# Altium PCB EVT_A.PcbDoc (part 2 of 2)
Units mm, origin at the board's own origin, x right, y up, seen from the top; angles counter-clockwise.
Board outline 45 x 40 mm, 6 copper layers (Layer 1, Layer 2, Layer 3, Layer 4, Layer 5, Layer 6), stack 1.486 mm thick; 163 components, 109 nets, 498 pads, 154 vias.
Unrouted connection lines stored in the file: 2.
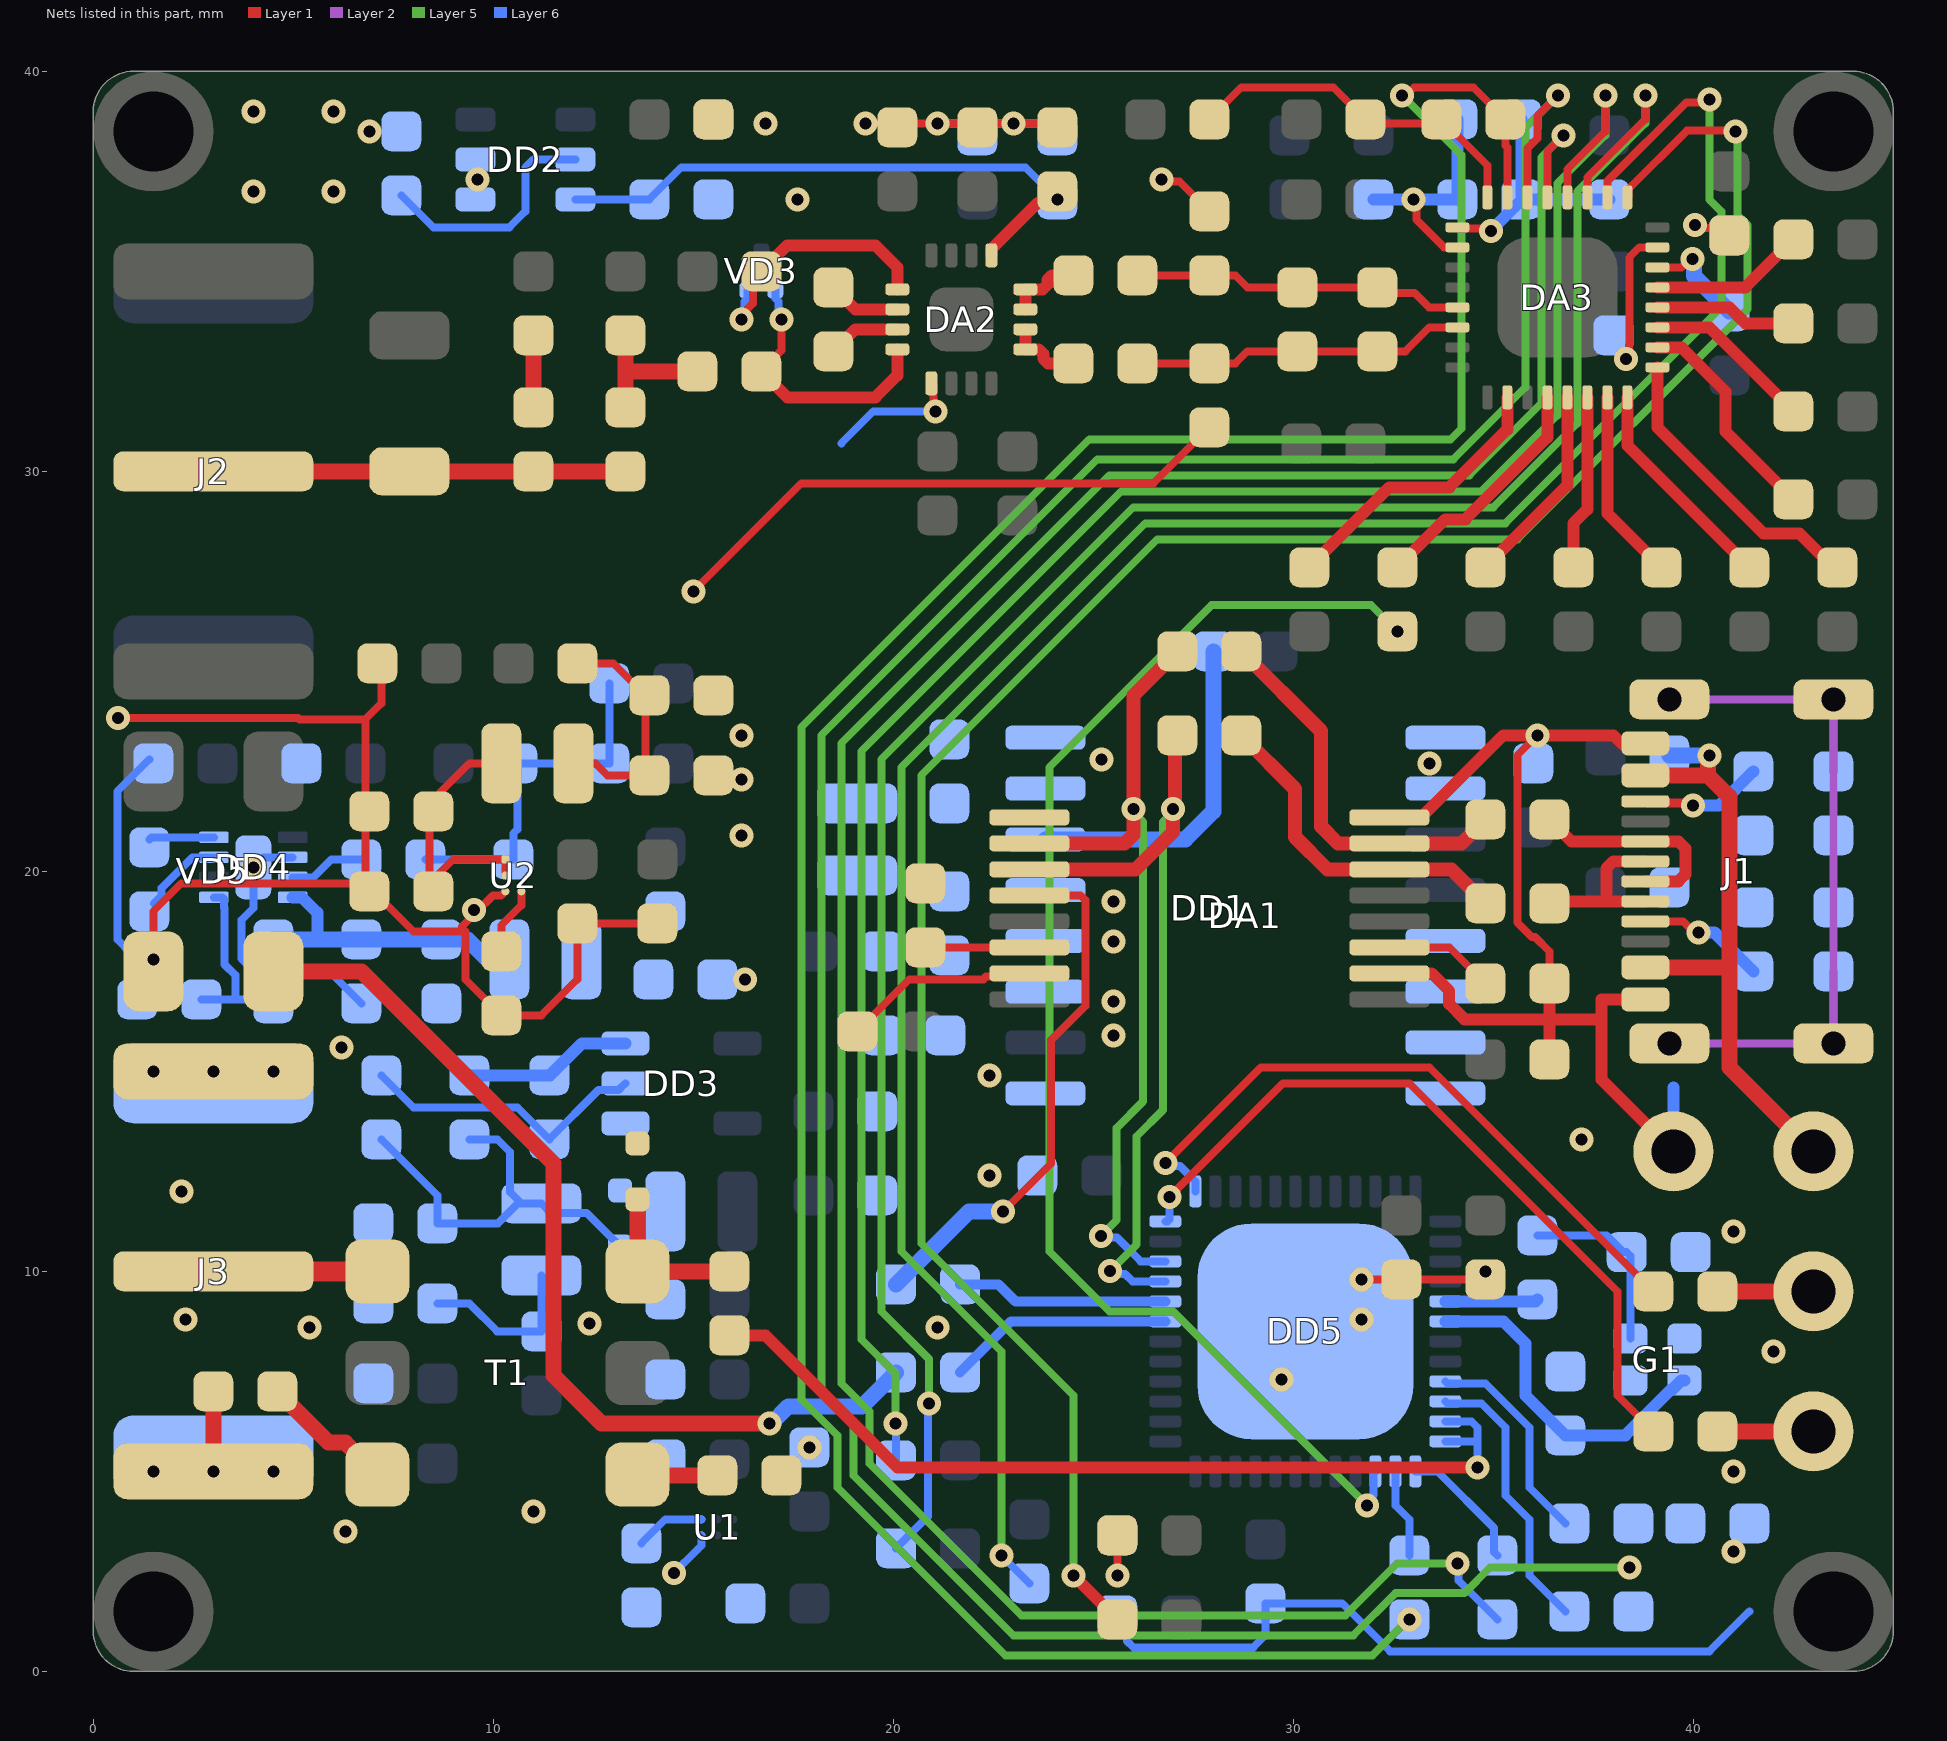
[diagram p6: the nets of this part, all layers, seen from the top]

## Via types
v1: diameter 0.6, hole 0.3, Layer 1 to Layer 6, tented both sides, 154 vias

## Nets (pads, with @x,y where several pads share a name; then routed paths per layer and width w, separated by ;. In a path a pad name is that pad's centre, name@x,y a point inside that pad or via, vN(x,y) a via of type N, cw(c..) or ccw(c..) an arc to the next point about the centre after c; other vN are vias at no path point) (continued)
GND: C3.2 C4.2 C5.2 C6.2 C8.2 C10.1 C12.2 C13.2 C14.2 C15.2 C16.2 C17.2 C18.2 C19.2 C20.2 C21.1 C22.1 C23.2 C24.2 C25.1 C26.2 C27.2 C28.2 C29.2 C31.2 C32.2 C33.2 C34.2 C35.2 C36.2 C37.2 C38.2 C39.2 C40.1 C41.2 C42.2 C43.2 C44.2 C45.2 C46.1 C47.1 C48.1 C49.1 C50.1 C51.2 C52.2 C57.1 C58.1 C70.2 C71.2 C72.2 C73.2 C74.2 C75.2 C76.2 C77.2 C78.2 C79.2 DA1.9 DA1.11 DA1.12 DA1.15 DA1.16 DA2.5 DA3.15 DD1.9 DD1.15 DD2.1 DD2.2 DD3.2 DD4.2 DD5.49 G1.2 G1.4 R10.1 R12.1 R21.2 R26.2 R40.1 U1.1C U2.1C VD4.1 VD5.3 | length 122.4
  Layer 1 w0.2: v1(0.612,23.834) 5.121,23.834 5.155,23.8 6.8,23.8 ; VD5.3@1.5,17.5 1.5,19 2.2,19.7 C42.2@6.8,19.7 ; C45.2@7.2,25.2 7.2,24.2 6.8,23.8 ; v1@9.5,19 9.597,19 9.991,19.393 10.193,19.393 U2.1C@10.3,19.5 ; v1(9.523,19.034) 9.523,18.926 9.223,18.626 9.223,18.5 ; C37.2@14.1,18.7 C39.2@12.1,18.7 12.1,17.3 11.2,16.4 C40.1@10.2,16.4 9.3,17.3 9.3,18.5 9.223,18.5 ; v1(15,27) 17.7,29.7 26.5,29.7 C51.2@27.9,31.1 ; C8.2@19.1,16 20.4,17.3 22.25,17.3 22.317,17.367 23.317,17.367 DD1.15@23.4,17.45 ; v1(19.3,38.7) C47.1@24.1,38.7 ; DA2.5@20.95,32.2 21,32.15 21,31.551 v1(21.051,31.5) ; v1(25.6,2.4) C73.2@25.6,3.4 ; v1(26.7,37.3) 26.75,37.25 27.15,37.25 C52.2@27.9,36.5 ; v1(31.7,9.8) 32.05,9.8 C75.2@32.7,9.8 C77.2@34.8,9.8 v1(34.8,10) ; v1(38.32,32.812) 38.397,32.888 38.397,33.162 38.4,33.165 38.4,35.35 38.65,35.6 DA3.15@39.1,35.6 ; v1(40.046,36.156) 40.123,36.079 40.721,36.079 C58.1@40.9,35.9 ; C42.2@6.8,19.7 8,18.5 9.223,18.5 ; C42.2@6.8,19.7 6.8,20.35 6.8,23.8
  Layer 6 w0.2: R12.1@1.1,17 1.1,17.539 1.285,17.723 1.423,17.723 v1(1.5,17.8) 1.392,17.8 1.217,17.974 0.926,17.974 0.6,18.3 0.6,22 C72.2@1.4,22.8 ; DD4.2@4.985,20.35 4.25,20.35 v1(4,20.1) 4,19.078 3.7,18.778 3.7,17.822 4.022,17.5 5.9,17.5 C33.2@6.7,16.7 ; C14.2@7.2,14.9 8,14.1 10.6,14.1 R10.1@11.4,13.3 12.632,14.532 13.132,14.532 DD3.2@13.3,14.7 ; C31.2@8.3,20.3 C38.2@10.5,20.3 10.5,20.95 10.6,21.05 C29.2@10.6,22.7 C36.2@12.9,22.7 C35.2@12.9,24.7 ; v1(14.513,2.454) 15.1,3.041 15.2,3.141 U1.1C@15.2,3.4 ; 18.7,30.7 19.5,31.5 v1(21.051,31.5) ; v1(21.1,38.7) v1(23,38.7) C46.1@24.1,38.7 ; C78.2@25.6,1.4 25.839,1.161 25.839,0.761 26,0.6 29,0.6 29.3,0.9 C79.2@29.3,1.7 31.222,1.7 32.422,0.5 40.4,0.5 41.4,1.5
  Layer 6 w0.4: v1@21.013,31.462 v1(21.051,31.5)
  other v1: 41,3 6.3,3.5 11,4 41,5 17.9,5.6 29.7,7.3 42,8 5.4,8.6 21.1,8.6 12.4,8.7 2.3,8.8 31.7,8.8 41,11 2.2,12 22.4,12.4 37.2,13.3 22.4,14.9 6.2,15.6 25.5,15.9 25.5,16.75 16.296,17.3 25.5,18.25 25.5,19.25 16.2,20.9 16.2,22.3 25.2,22.8 16.2,23.4 17.6,36.8 4,37 6,37 9.6,37.3 6.9,38.5 16.8,38.7 4,39 6,39
GNDusb: C1.2 C2.2 C7.2 C9.2 C11.2 DA1.1 DA1.2 DA1.5 DA1.6 DA1.7 DA1.8 DD1.2 DD1.8 J1.A1 J1.A12 R4.2 R5.2 R6.2 TP2.1 | length 29.2
  Layer 1 w0.2: v1(36.1,23.4) 35.6,22.9 35.6,18.722 35.961,18.361 36.039,18.361 36.4,18 C9.2@36.4,17.2
  Layer 1 w0.3: DD1.2@32.4,17.45 33.457,17.45 33.894,17.013 33.894,16.687 34.281,16.3 36.4,16.3 ; DD1.8@32.4,21.35 33.2,21.35 35.25,23.4 v1(36.1,23.4) 38,23.4 38.2,23.2 J1.A12@38.8,23.2 ; C7.2@36.4,15.3 36.4,16.3 ; C9.2@36.4,17.2 36.4,16.3 ; 37.7,16.3 36.4,16.3 ; J1.A1@38.8,16.8 37.7,16.8 37.7,14.8 TP2.1@39.5,13
  Layer 6 w0.3: TP2.1@39.5,13 39.5,14.6
  other v1: 33.4,22.7
In-Out: R43.1 T1.6 VD4.2 | length 4.1
  Layer 1 w0.4: VD4.2@13.6,11.8 T1.6@13.6,10 R43.1@15.9,10
Mode: DA3.22 R40.2 R41.2 R42.1 | length 72.3
  Layer 1 w0.2: DA3.22@35.85,36.85 35.85,38.072 36.1,38.322 36.1,38.887 v1(36.613,39.4)
  Layer 5 w0.2: v1(36.613,39.4) 35.8,38.587 35.8,32.1 34,30.3 25.1,30.3 18.2,23.4 18.2,7 19,6.2 19,4.9 23,0.9 31.5,0.9 32.554,1.954 34.279,1.954 34.925,2.6 v1(38.4,2.6)
NetC3_1: C3.1 C4.1 DA1.13 DA1.14 L1.1 R1.2 | length 8.5
  Layer 6 w0.4: DA1.14@23.8,20.8 27.3,20.8 28,21.5 R1.2@28,25.5
NetC5_1: C5.1 FB1.2 L1.2
NetC9_1: C9.1 DD1.3 | length 2.8
  Layer 1 w0.2: DD1.3@32.4,18.1 33.9,18.1 C9.1@34.8,17.2
NetC10_2: C10.2 DD1.14 | length 2.6
  Layer 1 w0.2: C10.2@20.8,18.1 DD1.14@23.4,18.1
NetC11_1: C11.1 J1.0 R6.1 | length 20.4
  Layer 2 w0.2: J1.0@39.4,15.7 J1.0@43.5,15.7 J1.0@43.5,24.3 J1.0@39.4,24.3
  Layer 6 w0.2: J1.0@43.5,15.7 R6.1@43.5,17.5 ; C11.1@43.5,22.5 J1.0@43.5,24.3
NetC14_1: C14.1 C15.1 L3.1 R9.2 VD2.2 | length 10.4
  Layer 6 w0.2: C14.1@7.2,13.3 8.6,11.9 C15.1@8.6,11.2 10.119,11.2 10.619,11.7 L3.1@10.7,11.7 ; R9.2@9.4,13.3 10.1,13.3 10.411,12.989 10.411,11.989 L3.1@10.7,11.7 ; VD2.2@13.169,10.625 12.336,11.458 11.442,11.458 L3.1@11.2,11.7 L3.1@10.7,11.7
NetC16_1: C16.1 FB2.2 L3.2 | length 4.3
  Layer 6 w0.2: C16.1@8.6,9.2 8.604,9.196 9.4,9.196 10.096,8.5 FB2.2@11.2,8.5 L3.2@11.2,9.9
NetC21_2: C21.2 DD2.5 | length 6
  Layer 6 w0.2: C21.2@7.7,36.9 8.5,36.1 10.4,36.1 10.8,36.5 10.8,37.6 11,37.8 DD2.5@12.05,37.8
NetC25_2: C25.2 U1.2C | length 1.7
  Layer 6 w0.2: C25.2@13.7,3.2 14.3,3.8 U1.2C@15.2,3.8
NetC30_1: C30.1 DD4.8 | length 1.6
  Layer 6 w0.2: C30.1@1.4,20.8 1.45,20.85 DD4.8@3.015,20.85
NetC30_2: C30.2 DD4.7 | length 2.1
  Layer 6 w0.2: C30.2@1.519,19.2 1.707,19.389 1.707,19.578 2.479,20.35 DD4.7@3.015,20.35
NetC31_1: C31.1 DD4.3 | length 1.9
  Layer 6 w0.2: DD4.3@4.985,19.85 5.505,19.85 5.955,20.3 C31.1@6.7,20.3
NetC32_1: C32.1 C33.1 DD4.4 L4.1 R11.2 | length 7.5
  Layer 6 w0.3: DD4.4@4.985,19.35 5.215,19.35 5.6,18.965 5.6,18.3
  Layer 6 w0.4: R11.2@4.5,18.3 5.6,18.3 C33.1@6.7,18.3 C32.1@8.7,18.3 9.35,18.3 9.85,17.8 L4.1@10.4,17.8
NetC34_1: C34.1 FB3.2 L4.2
NetC40_2: C40.2 U2.2C | length 1.7
  Layer 1 w0.2: C40.2@10.2,18 10.2,18.65 10.7,19.15 U2.2C@10.7,19.5
NetC41_1: C41.1 C42.1 L5.1 U2.1A U2.1B | length 6.7
  Layer 1 w0.2: L5.1@10.1,22.7 9.4,22.7 8.4,21.7 8.4,20.35 8.4,19.7 9,20.3 U2.1A@10.3,20.3 U2.1B@10.3,19.9
NetC43_1: C43.1 C44.1 FB4.2 L5.2 | length 6.1
  Layer 1 w0.2: L5.2@11.9,22.7 12.55,22.7 12.85,22.4 13.8,22.4 13.8,24.4 13,25.2 FB4.2@12.1,25.2
NetC53_1: C53.1 J2.1 R13.1 R19.2 | length 10.4
  Layer 1 w0.4: J2.1@3,30 C53.1@7.9,30 11.1,30 R13.1@13.4,30
NetC54_1: C54.1 R19.1 | length 1.8
  Layer 1 w0.4: R19.1@11,31.6 C54.1@11,33.4
NetC64_1: C64.1 C65.2 C68.2 DA3.26 | length 6
  Layer 1 w0.2: v1(33,36.8) 33.077,36.723 33.077,36.291 33.767,35.6 DA3.26@34.1,35.6
  Layer 6 w0.3: C68.2@32,36.8 C65.2@34.1,36.8 C64.1@34.1,38.8
NetC64_2: C64.2 C65.1 C69.2 DA3.25 | length 6.2
  Layer 1 w0.2: DA3.25@34.1,36.1 34.125,36.075 34.88,36.075 v1(34.946,36.009)
  Layer 6 w0.3: v1(34.946,36.009) 34.946,36.027 35.695,36.776 C65.1@35.695,36.8 ; C64.2@35.7,38.8 C65.1@35.7,36.8 C69.2@37.9,36.8
NetC66_2: C66.2 C67.1 DA3.24 R36.1 | length 9
  Layer 1 w0.2: C67.1@27.9,38.8 28.7,39.6 31,39.6 31.9,38.7 33.6,38.7 R36.1@33.7,38.8 34.85,37.65 DA3.24@34.85,36.85
NetC70_1: C70.1 G1.1 R51.1 | length 4.6
  Layer 6 w0.2: R51.1@36.1,10.9 37.831,10.9 38.254,10.477 C70.1@38.335,10.477 38.425,10.388 G1.1@38.425,8.325
NetC71_1: C71.1 DD5.6 G1.3 | length 8.5
  Layer 6 w0.3: DD5.6@33.8,8.75 35.25,8.75 35.8,8.2 35.8,6.9 C71.1@36.8,5.9 38.3,5.9 39.45,7.05 39.48,7.05 39.705,7.275 G1.3@39.775,7.275
NetDA2_2: DA2.2 R17.2 | length 1.8
  Layer 1 w0.3: R17.2@18.5,34.6 19.05,34.05 DA2.2@20.1,34.05
NetDA2_3: DA2.3 R17.1 | length 1.8
  Layer 1 w0.3: R17.1@18.5,33 19.05,33.55 DA2.3@20.1,33.55
NetDA2_9: DA2.9 DA2.10 R18.1 | length 1.9
  Layer 1 w0.3: DA2.10@23.3,33.55 DA2.9@23.3,33.05 23.633,33.05 23.75,32.933 23.75,32.817 23.867,32.7 R18.1@24.5,32.7
NetDA2_11: DA2.11 DA2.12 R16.1 | length 1.9
  Layer 1 w0.3: DA2.11@23.3,34.05 DA2.12@23.3,34.55 23.733,34.55 23.85,34.667 23.85,34.783 23.967,34.9 R16.1@24.5,34.9
NetDA3_2: DA3.2 R22.1 | length 7.2
  Layer 1 w0.3: R22.1@30.4,27.6 32.4,29.6 33.9,29.6 35.35,31.05 DA3.2@35.35,31.85
NetDA3_5: DA3.5 R24.1 | length 5.1
  Layer 1 w0.3: R24.1@34.8,27.6 36.85,29.65 DA3.5@36.85,31.85
NetDA3_6: DA3.6 R25.1 | length 4.4
  Layer 1 w0.3: R25.1@37,27.6 37,28.7 37.35,29.05 DA3.6@37.35,31.85
NetDA3_7: DA3.7 R27.1 | length 4.9
  Layer 1 w0.3: DA3.7@37.85,31.85 37.85,28.95 39.1,27.7 R27.1@39.1,27.5
NetDA3_8: DA3.8 R28.1 | length 5.5
  Layer 1 w0.3: DA3.8@38.35,31.85 38.35,30.65 R28.1@41.4,27.6
NetDA3_9: DA3.9 R29.1 | length 7.5
  Layer 1 w0.3: DA3.9@39.1,32.6 39.1,31.1 41.75,28.45 42.65,28.45 43.15,27.95 43.196,27.95 R29.1@43.6,27.546
NetDA3_10: DA3.10 R30.1 | length 5.6
  Layer 1 w0.3: DA3.10@39.1,33.1 39.7,33.1 40.8,32 40.8,31 R30.1@42.5,29.3
NetDA3_11: DA3.11 R31.1 | length 4.3
  Layer 1 w0.3: DA3.11@39.1,33.6 40.4,33.6 R31.1@42.5,31.5
NetDA3_12: DA3.12 R32.1 | length 3.6
  Layer 1 w0.3: DA3.12@39.1,34.1 40.9,34.1 41.3,33.7 R32.1@42.5,33.7
NetDA3_13: DA3.13 R33.1 | length 3.9
  Layer 1 w0.3: DA3.13@39.1,34.6 41.3,34.6 R33.1@42.5,35.8
NetDA3_14: DA3.14 R34.1 | length 2.7
  Layer 1 w0.2: DA3.14@39.1,35.1 39.702,35.1 39.906,35.304 v1(39.985,35.304)
  Layer 6 w0.4: v1(39.985,35.304) 40.023,35.266 40.023,34.877 R34.1@40.9,34
NetDA3_17: DA3.17 R35.1 | length 56.7
  Layer 1 w0.2: DA3.17@38.35,36.85 38.375,36.875 38.375,37.05 39.84,38.515 41.039,38.515 v1(41.054,38.5)
  Layer 1 w0.3: v1(24.5,2.4) R35.1@25.6,1.3
  Layer 5 w0.2: v1(24.5,2.4) 24.5,6.9 20.7,10.7 20.7,22.4 26.6,28.3 35.6,28.3 41.354,34.054 41.354,36.16 41.1,36.414 41.1,38.454 v1(41.054,38.5)
NetDA3_18: DA3.18 R37.1 | length 56.1
  Layer 1 w0.2: DA3.18@37.85,36.85 37.856,36.856 37.856,37.256 39.823,39.223 40.323,39.223 v1(40.4,39.3)
  Layer 5 w0.2: v1(22.7,2.9) 22.7,8 20.2,10.5 20.2,22.6 26.3,28.7 35.3,28.7 40.7,34.1 40.7,36.496 40.4,36.796 v1(40.4,39.3)
  Layer 6 w0.2: v1(22.7,2.9) R37.1@23.4,2.2
NetDA3_19: DA3.19 R38.1 | length 53.5
  Layer 1 w0.2: DA3.19@37.35,36.85 37.35,37.35 38.8,38.8 v1(38.8,39.4)
  Layer 5 w0.2: v1(20.891,6.691) 20.891,7.809 19.7,9 19.7,22.8 26,29.1 35,29.1 37.1,31.2 37.1,37 38.8,38.7 v1(38.8,39.4)
  Layer 6 w0.2: R38.1@20.069,3.075 20.869,3.875 20.869,6.669 v1(20.891,6.691)
NetDA3_20: DA3.20 R39.1 | length 50.4
  Layer 1 w0.2: DA3.20@36.85,36.85 36.85,37.55 37.8,38.5 v1(37.8,39.4)
  Layer 5 w0.2: v1(20.054,6.2) 20.054,7.446 19.2,8.3 19.2,23 25.7,29.5 34.7,29.5 36.6,31.4 36.6,37.2 37.8,38.4 v1(37.8,39.4)
  Layer 6 w0.2: v1(20.054,6.2) 20.061,6.193 20.061,5.282 R39.1@20.069,5.275
NetDD3_1: DD3.1 L2.2 VD2.1
NetDD3_3: DD3.3 R9.1 R10.2 | length 4.2
  Layer 6 w0.3: R9.1@9.4,14.9 R10.2@11.4,14.9 11.416,14.9 12.216,15.7 DD3.3@13.3,15.7
NetDD4_5: DD4.5 R11.1 R12.2 | length 4.7
  Layer 6 w0.2: R12.2@2.7,16.8 3.55,16.8 ; DD4.5@3.015,19.35 3.232,19.35 3.272,19.31 3.272,19.093 3.283,19.082 3.283,17.674 3.55,17.406 3.55,16.8 ; R11.1@4.5,16.7 4.4,16.8 3.55,16.8
NetDD5_5: DD5.5 R51.2 | length 2.3
  Layer 6 w0.3: DD5.5@33.8,9.25 36.05,9.25 R51.2@36.1,9.3
NetDD5_9: DD5.9 R41.1 | length 5.3
  Layer 6 w0.2: DD5.9@33.8,7.25 33.85,7.2 34.8,7.2 35.9,6.1 35.9,4.6 R41.1@36.8,3.7
NetDD5_10: DD5.10 R42.2 | length 7
  Layer 6 w0.2: DD5.10@33.8,6.75 33.85,6.7 34.215,6.7 34.7,6.7 35.3,6.1 35.3,4.4 35.9,3.8 35.9,2.4 R42.2@36.8,1.5
NetDD5_11: DD5.11 DD5.12 R43.2 | length 22.7
  Layer 1 w0.3: R43.2@15.9,8.4 16.8,8.4 20.1,5.1 v1(34.6,5.1)
  Layer 6 w0.2: DD5.12@33.8,5.75 34.55,5.75 34.6,5.7 ; DD5.11@33.8,6.25 34.45,6.25 34.6,6.1 34.6,5.7 ; v1(34.6,5.1) 34.6,5.7
NetDD5_13: DD5.13 R44.2 | length 3.3
  Layer 6 w0.2: DD5.13@33.05,5 33.6,5 35.017,3.583 35.017,2.983 R44.2@35.1,2.9
NetDD5_14: DD5.14 R45.2 | length 2.2
  Layer 6 w0.2: DD5.14@32.55,5 32.55,4.15 32.9,3.8 R45.2@32.9,2.9
NetDD5_15: DD5.15 R46.2 | length 34.4
  Layer 1 w0.3: R46.2@32.6,25.9 v1(32.6,26)
  Layer 5 w0.2: v1(31.848,4.145) 26.993,9 25.4,9 23.9,10.5 23.9,22.6 27.954,26.654 31.946,26.654 v1(32.6,26)
  Layer 6 w0.2: v1(31.848,4.145) 31.848,4.253 32,4.405 32,4.95 DD5.15@32.05,5
NetDD5_31: DD5.31 R47.2 | length 5.7
  Layer 6 w0.25: R47.2@21.669,7.475 22.944,8.75 DD5.31@26.8,8.75
NetDD5_32: DD5.32 R48.2 | length 5.3
  Layer 6 w0.25: R48.2@21.669,9.675 22.625,9.675 23.05,9.25 DD5.32@26.8,9.25
NetDD5_36: DD5.36 R49.2 | length 19.1
  Layer 1 w0.2: v1(26.9,11.859) 29.741,14.7 32.9,14.7 38.1,9.5 38.1,6.9 R49.2@39,6
  Layer 6 w0.2: DD5.36@26.8,11.25 26.85,11.25 26.9,11.3 v1(26.9,11.859)
NetDD5_37: DD5.37 R50.2 | length 16.7
  Layer 1 w0.2: v1(26.799,12.707) 29.192,15.1 33.4,15.1 R50.2@39,9.5
  Layer 6 w0.2: v1(26.799,12.707) 26.875,12.63 27.17,12.63 27.55,12.25 DD5.37@27.55,12
NetF1_1: F1.1 J1.A4 J1.A9 TP1.1 | length 15.7
  Layer 1 w0.4: J1.A4@38.8,17.6 40.9,17.6 ; J1.A9@38.8,22.4 40.366,22.4 ; v1(40.4,22.9) 40.366,22.866 40.366,22.4 ; TP1.1@43,13 40.9,15.1 40.9,17.6 ; 40.366,22.4 40.9,21.866 40.9,17.6
  Layer 6 w0.4: F1.1@39.4,22.9 v1(40.4,22.9)
NetJ1_A5: J1.A5 R5.1 | length 3.2
  Layer 1 w0.2: J1.A5@38.8,18.75 39.742,18.749 40.022,18.47 v1(40.13,18.47)
  Layer 6 w0.3: v1(40.13,18.47) 40.53,18.47 R5.1@41.5,17.5
NetJ1_A6: J1.A6 J1.B6 R3.1 | length 5.4
  Layer 1 w0.3: R3.1@36.4,21.3 36.95,20.75 39.624,20.75 39.8,20.574 39.8,19.926 39.624,19.75 J1.A6@38.8,19.75
NetJ1_A7: J1.A7 J1.B7 R2.1 | length 4.3
  Layer 1 w0.3: R2.1@36.4,19.2 36.45,19.25 37.825,19.25 ; J1.B7@38.8,19.25 37.825,19.25 ; J1.A7@38.8,20.25 38.001,20.25 37.825,20.074 37.825,19.25
NetJ1_B5: J1.B5 R4.1 | length 3.1
  Layer 1 w0.22: J1.B5@38.8,21.75 38.84,21.71 39.934,21.71 v1(39.998,21.646)
  Layer 6 w0.3: v1(39.998,21.646) 40.646,21.646 R4.1@41.5,22.5
NetJ3_1: J3.1 T1.1 | length 4.1
  Layer 1 w0.5: J3.1@3,10 T1.1@7.1,10
NetJ3_2: J3.2 R23.2 | length 2
  Layer 1 w0.4: v1(3,5) R23.2@3,7
  other v1: 1.5,5 4.5,5 1.5,15 3,15 4.5,15
NetR13_2: R13.2 R14.1 R20.2 | length 3.6
  Layer 1 w0.4: R13.2@13.3,31.6 13.3,32.5 ; R20.2@13.3,33.4 13.3,32.5 ; R14.1@15.1,32.5 13.3,32.5
NetR23_1: R23.1 T1.3 | length 3.4
  Layer 1 w0.4: R23.1@4.6,7 5.88,5.72 6.3,5.72 T1.3@7.1,4.92
NetR26_1: R26.1 T1.4 | length 2
  Layer 1 w0.4: T1.4@13.6,4.92 13.62,4.9 R26.1@15.6,4.9
OTR: DA3.21 R44.1 | length 66.6
  Layer 1 w0.2: DA3.21@36.35,36.85 36.35,37.996 v1(36.754,38.4)
  Layer 5 w0.2: v1(34.1,2.7) 32.6,2.7 31.3,1.4 23.2,1.4 19.4,5.2 19.4,6.5 18.7,7.2 18.7,23.2 25.4,29.9 34.4,29.9 36.2,31.7 36.2,37.846 v1(36.754,38.4)
  Layer 6 w0.2: v1(34.1,2.7) 34.124,2.676 34.124,2.276 R44.1@35.1,1.3
Out_N: C51.1 C62.2 C63.2 DA3.30 R18.2 | length 8.4
  Layer 1 w0.2: R18.2@26.1,32.7 C51.1@27.9,32.7 28.55,32.7 28.85,33 C62.2@30.1,33 C63.2@32.1,33 32.8,33 33.4,33.6 DA3.30@34.1,33.6
Out_P: C52.1 C62.1 C63.1 DA3.29 R16.2 | length 8.3
  Layer 1 w0.2: R16.2@26.1,34.9 C52.1@27.9,34.9 28.55,34.9 28.85,34.6 C62.1@30.1,34.6 C63.1@32.1,34.6 32.238,34.462 33.031,34.462 33.393,34.1 DA3.29@34.1,34.1
PDWN: DA3.4 R46.1 | length 6.1
  Layer 1 w0.3: R46.1@32.6,27.6 33.8,28.8 34.3,28.8 36.35,30.85 DA3.4@36.35,31.85
PWM_LED: R47.1 VD5.4 | length 23.9
  Layer 1 w0.4: VD5.4@4.5,17.5 6.7,17.5 11.5,12.7 11.5,7.4 12.7,6.2 v1(16.9,6.2)
  Layer 6 w0.4: v1(16.9,6.2) 16.954,6.2 17.378,6.624 19.218,6.624 R47.1@20.069,7.475
Sense: DA3.23 R36.2 R45.1 | length 69.3
  Layer 1 w0.2: v1(32.713,39.4) 32.822,39.4 33.022,39.6 34.5,39.6 R36.2@35.3,38.8 35.3,38.15 35.35,38.1 DA3.23@35.35,36.85
  Layer 5 w0.2: v1(32.713,39.4) 34.2,37.913 34.2,31.066 33.934,30.8 24.9,30.8 17.7,23.6 17.7,6.8 18.6,5.9 18.6,4.6 22.8,0.4 31.983,0.4 32.883,1.3 v1(32.9,1.3)
Signal_N: DA2.1 R15.2 VD3.2 | length 6.6
  Layer 1 w0.2: v1(16.2,33.8) 16.2,33.908 16.492,34.2 16.492,34.792 R15.2@16.7,35
  Layer 1 w0.3: R15.2@16.7,35 17.35,35.65 19.55,35.65 20.1,35.1 DA2.1@20.1,34.55
  Layer 6 w0.2: v1(16.2,33.8) 16.277,33.877 16.277,34.252 16.35,34.325 VD3.2@16.35,34.525
Signal_P: DA2.4 R14.2 VD3.1 | length 6.8
  Layer 1 w0.2: R14.2@16.7,32.5 16.7,32.517 17.2,33.017 v1(17.2,33.8)
  Layer 1 w0.3: R14.2@16.7,32.5 17.35,31.85 19.55,31.85 20.1,32.4 DA2.4@20.1,33.05
  Layer 6 w0.2: VD3.1@17.05,34.525 17.05,34.325 17.123,34.252 17.123,33.877 v1(17.2,33.8)
SWCLK: R50.1 TP4.1 | length 2.4
  Layer 1 w0.4: R50.1@40.6,9.5 TP4.1@43,9.5
SWDIO: R49.1 TP3.1 | length 2.4
  Layer 1 w0.4: R49.1@40.6,6 TP3.1@43,6
UD_N: DD1.6 R2.2 R7.1 | length 8.5
  Layer 1 w0.35: R7.1@28.7,23.4 30.048,22.052 30.048,20.852 30.85,20.05 33.95,20.05 R2.2@34.8,19.2
UD_P: DD1.7 R3.2 R8.1 | length 9.7
  Layer 1 w0.35: R8.1@28.7,25.5 30.698,23.502 30.698,21.121 31.119,20.7 34.2,20.7 R3.2@34.8,21.3
USB_N: DD1.11 DD5.33 R7.2 | length 20.2
  Layer 1 w0.35: DD1.11@23.4,20.05 26.05,20.05 26.987,20.987 v1(26.988,21.554) 27.1,21.554 27.044,21.61 27.044,23.344 R7.2@27.1,23.4
  Layer 5 w0.2: v1(25.421,10.008) 26.084,10.67 26.084,13.376 26.744,14.037 26.744,21.237 26.988,21.481 v1(26.988,21.554)
  Layer 6 w0.2: v1(25.421,10.008) 25.497,9.933 25.795,9.933 25.977,9.75 DD5.33@26.8,9.75
USB_P: DD1.10 DD5.34 R8.2 | length 20.7
  Layer 1 w0.35: DD1.10@23.4,20.7 25.781,20.7 26,20.919 v1(26,21.554) ; v1@26,21.654 26,24.4 R8.2@27.1,25.5
  Layer 5 w0.2: v1(25.188,10.888) 25.584,11.283 25.584,13.584 26.244,14.244 26.244,21.237 26,21.481 v1(26,21.554)
  Layer 6 w0.2: v1(25.188,10.888) 25.232,10.843 25.591,10.843 26.184,10.25 DD5.34@26.8,10.25
USB_Pin: DD1.12 R48.1 | length 13.5
  Layer 1 w0.2: v1(22.746,11.5) 23.946,12.7 23.946,15.78 24.8,16.634 24.8,19.283 24.683,19.4 DD1.12@23.4,19.4
  Layer 6 w0.4: R48.1@20.069,9.675 21.894,11.5 v1(22.746,11.5)
Vocm: C22.2 C46.2 C47.2 DA2.13 DD2.6 | length 15.2
  Layer 1 w0.3: DA2.13@22.45,35.4 22.45,35.55 23.612,36.712 23.812,36.712 C47.2@24,36.9 ; v1(24.1,36.8) C47.2@24.1,37
  Layer 6 w0.2: DD2.6@12.05,36.8 C22.2@13.9,36.8 14.7,37.6 23.3,37.6 v1(24.1,36.8)
pads on no net: DA1.10 DA2.6 DA2.8 DA2.15 DA3.1 DA3.3 DD1.4 DD1.5 DD1.13 DD5.2 DD5.3 DD5.4 DD5.7 DD5.16 DD5.27 DD5.28 DD5.29 DD5.30 DD5.38 DD5.39 DD5.40 J1.A8 J1.B8 T1.2 T1.5 VD5.2

## Polygon pours and split planes (outlines as drawn)
GND on Layer 6 "GND_L06_P041" (solid, remove dead copper, pour order 41): 0,1 0,39 cw(c1,39) 1,40 44,40 cw(c44,39) 45,39 45,1 cw(c44,1) 44,0 1,0 cw(c1,1)
GNDusb on Layer 6 "GNDUSB_L06_P036" (solid, remove dead copper, pour order 36): 31,16.1 32.9,14.2 45,14.2 45,24.25 31,24.25
NetC32_1 on Layer 6 "NETC32_1_L06_P040" (solid, remove dead copper, pour order 40): 4.6,19.5 5.714,19.5 6.214,19 10.8,19 11,18.8 11,16.8 10.9,16.7 9.9,16.7 9,17.6 4.2,17.6 4,17.8 4,18.9
NetC14_1 on Layer 6 "NETC14_1_L06_P039" (solid, remove dead copper, pour order 39): 13.5,10.3 13.5,11 13.4,11 12,12.4 11,12.4 11,12.7 9.8,13.9 6.7,13.9 6.7,12.1 8.5,10.3
+Vin on Layer 6 "+VIN_L06_P003" (solid, remove dead copper, pour order 3): 18.9,18.5 17.397,18.5 17,18.103 17,15.975 15.1,15.975 15.1,3.8 16.7,3.8 16.7,9.5 18.9,11.7
+3.3VDC on Layer 6 "+3.3VDC_L06_P005" (solid, remove dead copper, pour order 5): 15.46,3.542 16.16,3.542 17.119,4.5 18.8,4.5 18.8,1.142 17.26,1.142 17.26,2.142 16.36,3.042 15.46,3.042
AGND on Layer 6 "AGND_L06_P038" (solid, remove dead copper, pour order 38): 38.8,36.1 34.7,36.1 34.7,32.4 36.9,32.4 37.4,32.9 37.4,34 38.7,34 38.8,34.1
NetC16_1 on Layer 6 "NETC16_1_L06_P037" (solid, remove dead copper, pour order 37): 12.3,9.6 11.7,9 11.7,8 8.7,8 8,8.7 8,10.5 12.3,10.5
NetDD3_1 on Layer 6 "NETDD3_1_L06_P030" (solid, remove dead copper, pour order 30): 12.6,14 12.6,12.2 13.7,11.1 13.7,10.7 14.8,10.7 14.8,14
+Vusb on Layer 6 "+VUSB_L06_P029" (solid, remove dead copper, pour order 29): 38.5,23.5 37,23.5 37,21.5 35.2,21.5 35,21.3 32.7,21.3 32.7,19.2 38.5,19.2
+Vboost on Layer 6 "+VBOOST_L06_P026" (solid, remove dead copper, pour order 26): 11.8,6.4 10.9,6.4 9.1,4.6 7.975,4.6 7.975,7.85 11.644,7.85 11.8,7.694
+3.3VADC on Layer 6 "+3.3VADC_L06_P006" (solid, remove dead copper, pour order 6): 26.6,0.9 28.6,0.9 28.6,2.2 29.1,2.7 29.7,2.7 29.9,2.9 29.9,5.4 28.8,5.4 28.8,3.2 27.6,2 26.6,2
NetC5_1 on Layer 6 "NETC5_1_L06_P002" (solid, remove dead copper, pour order 2): 20.5,19.5 20.445,19.555 20.445,20.15 20.095,20.5 18.145,20.5 17.795,20.15 17.8,20.145 17.8,19.5 17.8,18.7 18.75,18.7 18.75,14.7 20.5,14.7 20.5,15.75
-Vneg on Layer 6 "-VNEG_L06_P025" (solid, remove dead copper, pour order 25): 14,20 13.8,20.2 13.8,25 19.75,30.95 20.35,30.35 14.8,24.8 14.8,22.1 14.8,20.25 14.55,20
Mode on Layer 6 "MODE_L06_P021" (solid, remove dead copper, pour order 21): 38.9,1 40.2,2.3 40.2,2.6 40.2,4.2 37.8,4.2 37.8,1
NetC34_1 on Layer 6 "NETC34_1_L06_P022" (solid, remove dead copper, pour order 22): 11.7,16.8 14.1,16.8 14.8,17.5 14.8,19.5 13.9,19.5 13.2,18.8 11.7,18.8
+3.3VDC on Layer 6 "+3.3VDC_L06_P027" (solid, remove dead copper, pour order 27): 33.4,11.1 32.9,11.6 32.9,12.5 34,12.5 34.5,12 34.5,11.2 34.4,11.1
+3.3VDC on Layer 6 "+3.3VDC_L06_P014" (solid, remove dead copper, pour order 14): 24.2,13.3 24.2,11.5 26,11.5 26,13.3
NetC3_1 on Layer 6 "NETC3_1_L06_P001" (solid, remove dead copper, pour order 1): 18,21 18,22.3 21.784,22.3 22.834,21.25 24.834,21.25 24.834,19 20,19
+Vin on Layer 6 "+VIN_L06_P012" (solid, remove dead copper, pour order 12): 39.8,28.7 39.8,32.4 42.6,32.4 42.6,28.7
+Vin on Layer 6 "+VIN_L06_P004" (solid, remove dead copper, pour order 4): 4.6,20.7 5.7,20.7 6.5,21.5 9.8,21.5 9.8,23.5 6.5,23.5 6,23 6,21.8 5.3,21.1 4.6,21.1
GND on Layer 1 "GND_L01_P028" (solid, remove dead copper, pour order 28): 0,1 0,39 cw(c1,39) 1,40 44,40 cw(c44,39) 45,39 45,1 cw(c44,1) 44,0 1,0 cw(c1,1)
GNDusb on Layer 1 "GNDUSB_L01_P034" (solid, remove dead copper, pour order 34): 33.7,15.1 31.3,17.5 31.3,24.1 40,24.1 40,15.1
NetC41_1 on Layer 1 "NETC41_1_L01_P023" (solid, remove dead copper, pour order 23): 9.25,19.7 8.75,19.2 7.9,19.2 7.9,22.4 9.2,23.7 10.6,23.7 10.6,19.7
+Vin on Layer 1 "+VIN_L01_P008" (solid, remove dead copper, pour order 8): 19.807,15.499 20.2,15.892 20.2,17 22.45,17 22.45,16.55 18.7,12.8 14.999,12.8 14.999,15.499 16.799,15.499
+3.3VDC on Layer 1 "+3.3VDC_L01_P024" (solid, remove dead copper, pour order 24): 32.2,10.9 35.3,10.9 35.3,12 34.5,12 34,12.5 32.9,12.5 32.2,11.8
+Vusb on Layer 1 "+VUSB_L01_P035" (solid, remove dead copper, pour order 35): 35.45,15.9 35.45,14.8 31.35,14.8 31.35,17 33.45,17 34.55,15.9
NetC43_1 on Layer 1 "NETC43_1_L01_P018" (solid, remove dead copper, pour order 18): 11.2,21.5 14.5,21.5 14.5,25.8 11.2,25.8
+3.3VADC on Layer 1 "+3.3VADC_L01_P010" (solid, remove dead copper, pour order 10): 19,36.8 19.5,36.8 20.2,36.1 21.1,36.1 21.1,37.7 19,37.7
+3.3VADC on Layer 1 "+3.3VADC_L01_P009" (solid, remove dead copper, pour order 9): 8.2,24 8.2,25.8 11,25.8 11,24.7 10.3,24
+Vin on Layer 1 "+VIN_L01_P007" (solid, remove dead copper, pour order 7): 10.6,19.7 10.6,20.8 14.6,20.8 14.6,19.7
GND on Layer 5 "GND_L05_P033" (solid, remove dead copper, pour order 33): 0,1 0,39 cw(c1,39) 1,40 44,40 cw(c44,39) 45,39 45,1 cw(c44,1) 44,0 1,0 cw(c1,1)
GNDusb on Layer 5 "GNDUSB_L05_P020" (solid, remove dead copper, pour order 20): 31,15.87 45,15.87 45,24.75 31,24.75
+Vin on Layer 5 "+VIN_L05_P011" (solid, remove dead copper, pour order 11): 2.25,12.8 15.6,12.8 15.6,23.5 7,23.5 2.25,18.75
GND on Layer 2 "GND_L02_P019" (solid, remove dead copper, pour order 19): 0,1 0,39 cw(c1,39) 1,40 44,40 cw(c44,39) 45,39 45,1 cw(c44,1) 44,0 1,0 cw(c1,1)
GNDusb on Layer 2 "GNDUSB_L02_P031" (solid, remove dead copper, pour order 31): 31,15.87 45,15.87 45,24.75 31,24.75
+3.3VDC on Layer 2 "+3.3VDC_L02_P017" (solid, remove dead copper, pour order 17): 24.8,13.8 25.5,13.1 33.6,13.1 35,11.7 35,9 27.6,1.6 3.7,1.6 3.7,22.6 19.309,22.6 26.1,29.4 37.6,29.4 41.7,33.5 41.7,36.9 42.6,36.9 42.6,32.8 38.2,28.4 38.2,28.2 27.2,28.2 24.8,25.8
+3.3VADC on Layer 2 "+3.3VADC_L02_P015" (solid, remove dead copper, pour order 15): 18.5,40 18.5,31.5 13,26 1.3,26 0,24.7 0,0 29.2,0 29.2,2.5 28.3,2.5 27.4,1.6 15.75,1.6 7.15,1.6 4.1,4.65 4.1,23 19.7,23 26.1,29.4 36.65,29.4 37.6,30.35 37.6,40
GND on Layer 4 (split plane): 1,39.49 44,39.49 44.012,39.491 44.096,39.482 44.188,39.454 44.273,39.409 44.348,39.348 44.409,39.273 44.454,39.188 44.482,39.096 44.491,39.012 44.49,39 44.49,25 27.9,25 27.9,15 44.49,15 44.49,1 44.491,0.988 44.482,0.904 44.454,0.812 44.409,0.727 44.348,0.652 44.273,0.591 44.188,0.546 44.096,0.518 44.012,0.509 44,0.51 1,0.51 0.988,0.509 0.904,0.518 0.812,0.546 0.727,0.591 0.652,0.652 0.591,0.727 0.546,0.812 0.518,0.904 0.509,0.988 0.51,1 0.51,24.3 6,24.3 6,26 13,26 18,31 34,31 34,36 16.1,36 15.8,35.7 0.51,35.7 0.51,39 0.509,39.012 0.518,39.096 0.546,39.188 0.591,39.273 0.652,39.348 0.727,39.409 0.812,39.454 0.904,39.482 0.988,39.491
GND on Layer 3 (split plane): 1,39.49 44,39.49 44.012,39.491 44.096,39.482 44.188,39.454 44.273,39.409 44.348,39.348 44.409,39.273 44.454,39.188 44.482,39.096 44.491,39.012 44.49,39 44.49,25 27.9,25 27.9,15 44.49,15 44.49,1 44.491,0.988 44.482,0.904 44.454,0.812 44.409,0.727 44.348,0.652 44.273,0.591 44.188,0.546 44.096,0.518 44.012,0.509 44,0.51 1,0.51 0.988,0.509 0.904,0.518 0.812,0.546 0.727,0.591 0.652,0.652 0.591,0.727 0.546,0.812 0.518,0.904 0.509,0.988 0.51,1 0.51,24.3 6,24.3 6,26 13,26 18,31 34,31 34,36 16.1,36 15.8,35.7 0.51,35.7 0.51,39 0.509,39.012 0.518,39.096 0.546,39.188 0.591,39.273 0.652,39.348 0.727,39.409 0.812,39.454 0.904,39.482 0.988,39.491

## Other copper
Layer 1:
  pour cut-out: 0,35.7 15.8,35.7 16.4,36.3 34,36.3 34,31 18,31 13,26 6,26 6,24.3 0,24.3
  pour cut-out: 45,15 45,15.5 28.2,15.5 28.2,15
  pour cut-out: 45,24.1 45,25 28.2,25 28.2,24.1
  pour cut-out: 28.2,25 27.9,25 27.9,15 28.2,15
Layer 2:
  pour cut-out: 45,24.88 45,25.75 31,25.75 31,24.88
  pour cut-out: 44.5,15 44.5,15.87 31,15.87 31,15
  pour cut-out: 31,25.75 27.9,25.75 27.9,15 31,15
  pour cut-out: 0,35.7 15.8,35.7 16.1,36 34,36 34,31 18,31 13,26 6,26 6,24.3 0,24.3
Layer 5:
  pour cut-out: 45,24.88 45,25.75 31,25.75 31,24.88
  pour cut-out: 45,15 45,15.87 31,15.87 31,15
  pour cut-out: 31,25.775 27.9,25.775 27.9,15.025 31,15.025
  pour cut-out: 0,35.7 15.8,35.7 16.1,36 34,36 34,30.8 17.8,30.8 13,26 6,26 6,25 0,25
Layer 6:
  pour cut-out: 30.396,13.85 44.45,13.85 44.45,13.1 30.396,13.1
  pour cut-out: 30.4,25 44.5,25 44.5,24.25 30.4,24.25
  pour cut-out: 30.4,25 27.9,25 27.9,13.1 30.4,13.1
  pour cut-out: 0.3,35.5 16.1,35.5 16.4,35.8 34.3,35.8 34.3,30.8 18.3,30.8 13.3,25.8 6.3,25.8 6.3,24.8 0.3,24.8
Layer 3 (plane layer: these items are gaps in the copper):
  pour cut-out: 45,25 27.9,25 27.9,15 45,15
  pour cut-out: 0,35.7 15.8,35.7 16.1,36 34,36 34,31 18,31 13,26 6,26 6,24.3 0,24.3
Layer 4 (plane layer: these items are gaps in the copper):
  pour cut-out: 45,25 27.9,25 27.9,15 45,15
  pour cut-out: 0,35.7 15.8,35.7 16.1,36 34,36 34,31 18,31 13,26 6,26 6,24.3 0,24.3

## Silkscreen, mask and mechanical layers (free items; w line width, h text height)
Top Overlay:
  text "Input" at 5.325,36.773 h3
  text "Scope / board" at 30.7,4.5 h2
  text "Date / 04/24" at 34.6,2.1 h1
  text "SCH / v1.0" at 29.35,2 h1
  text "Output" at 4.175,0.755 h3
  text "PCB / v1.0" at 29.35,0.3 h1
Outline:
  the board outline again, w0.6
Drill Drawing:
  circle w0.2: c52.16,45.756 r0.556
  lines w0.2: 50.598,41.95 140.541,41.95 ; 50.598,51.95 140.541,51.95 ; 59.886,39.45 59.886,54.45 ; 69.783,39.45 69.783,54.45 ; 81.92,39.45 81.92,54.45 ; 90.458,39.45 90.458,54.45 ; 102.795,39.45 102.795,54.45 ; 112.732,39.45 112.732,54.45 ; 50.598,39.45 140.541,39.45 140.541,54.45 50.598,54.45 50.598,39.45 ; 51.605,43.811 52.716,43.811 52.16,42.7 51.605,43.811 ; 51.605,47.7 52.716,47.7 52.716,48.811 51.605,48.811 51.605,47.7 ; 51.605,50.2 51.605,50.478 51.883,50.756 51.605,51.033 51.605,51.311 51.883,51.311 52.16,51.033 52.438,51.311 52.716,51.311 52.716,51.033 52.438,50.756 52.716,50.478 52.716,50.2 52.438,50.2 52.16,50.478 51.883,50.2 51.605,50.2
  text "Symbol" at 52.098,52.7 h1.2
  text "Count" at 60.636,52.7 h1.2
  text "Hole Size" at 70.533,52.7 h1.2
  text "Plated" at 82.67,52.7 h1.2
  text "Hole Type" at 91.208,52.7 h1.2
  text "Via/Pad" at 103.545,52.7 h1.2
  text "Template" at 113.482,52.7 h1.2
  text "154" at 60.636,50.2 h1
  text "0.300mm" at 70.533,50.2 h1
  text "PTH" at 82.67,50.2 h1
  text "Round" at 91.208,50.2 h1
  text "Via" at 103.545,50.2 h1
  text "v60h30m0mx0" at 113.482,50.2 h1
  text "4" at 60.636,47.7 h1
  text "0.600mm" at 70.533,47.7 h1
  text "PTH" at 82.67,47.7 h1
  text "Slot" at 91.208,47.7 h1
  text "Pad" at 103.545,47.7 h1
  text "r200_100h60_140r50m205_105" at 113.482,47.7 h1
  text "4" at 60.636,45.2 h1
  text "1.100mm" at 70.533,45.2 h1
  text "PTH" at 82.67,45.2 h1
  text "Round" at 91.208,45.2 h1
  text "Pad" at 103.545,45.2 h1
  text "c200h110m210" at 113.482,45.2 h1
  text "4" at 60.636,42.7 h1
  text "2.000mm" at 70.533,42.7 h1
  text "PTH" at 82.67,42.7 h1
  text "Round" at 91.208,42.7 h1
  text "Pad" at 103.545,42.7 h1
  text "c300h200m305" at 113.482,42.7 h1
  text "166 Total" at 60.636,40.2 h1
  text "Slot definitions :" at 52.098,37.717 h1
  text "Routed Path Length" at 69.403,37.717 h1
  text "= Calculated from tool start centre position to tool end centre position." at 87.874,37.717 h1
  text "Hole Length" at 69.403,35.984 h1
  text "= Routed Path Length + Tool Size = Slot length as defined in the PCB layout" at 81.043,35.984 h1
Dimensions:
  drawing of 399 lines, arcs and shapes, not listed
  text "Layer" at 50.493,33 h1
  text "Name" at 57.5,33 h1
  text "Material" at 73.17,33 h1
  text "Thickness" at 87.675,33 h1
  text "Constant" at 98.68,33 h1
  text "Board Layer Stack" at 108.352,33 h1
  text "Top Overlay" at 57.5,31 h1
  text "Top Solder" at 57.5,29 h1
  text "Solder Resist" at 73.17,29 h1
  text "0.010mm" at 87.675,29 h1
  text "3.5" at 98.68,29 h1
  text "1" at 50.493,27 h1
  text "Top Layer" at 57.5,27 h1
  text "CF-004" at 73.17,27 h1
  text "0.035mm" at 87.675,27 h1
  text "Dielectric 2" at 57.5,25 h1
  text "PP-006" at 73.17,25 h1
  text "0.071mm" at 87.675,25 h1
  text "4.1" at 98.68,25 h1
  text "2" at 50.493,23 h1
  text "Layer 1" at 57.5,23 h1
  text "CF-004" at 73.17,23 h1
  text "0.035mm" at 87.675,23 h1
  text "Dielectric 1" at 57.5,21 h1
  text "PP-006" at 73.17,21 h1
  text "0.071mm" at 87.675,21 h1
  text "4.1" at 98.68,21 h1
  text "3" at 50.493,19 h1
  text "Middle 1" at 57.5,19 h1
  text "0.036mm" at 87.675,19 h1
  text "Fiberglass" at 57.5,17 h1
  text "Core-042" at 73.17,17 h1
  text "0.991mm" at 87.675,17 h1
  text "4.6" at 98.68,17 h1
  text "4" at 50.493,15 h1
  text "Middle 2" at 57.5,15 h1
  text "0.036mm" at 87.675,15 h1
  text "Dielectric 4" at 57.5,13 h1
  text "PP-006" at 73.17,13 h1
  text "0.071mm" at 87.675,13 h1
  text "4.1" at 98.68,13 h1
  text "5" at 50.493,11 h1
  text "Layer 2" at 57.5,11 h1
  text "CF-004" at 73.17,11 h1
  text "0.035mm" at 87.675,11 h1
  text "Dielectric 3" at 57.5,9 h1
  text "PP-006" at 73.17,9 h1
  text "0.071mm" at 87.675,9 h1
  text "4.1" at 98.68,9 h1
  text "6" at 50.493,7 h1
  text "Bottom Layer" at 57.5,7 h1
  text "CF-004" at 73.17,7 h1
  text "0.035mm" at 87.675,7 h1
  text "Bottom Solder" at 57.5,5 h1
  text "Solder Resist" at 73.17,5 h1
  text "0.010mm" at 87.675,5 h1
  text "3.5" at 98.68,5 h1
  text "Bottom Overlay" at 57.5,3 h1
  text "Total board thickness:" at 50.493,1 h1
  text "1.507mm" at 87.675,1 h1

## Dimensions
1,0 to 1,40 on Mechanical 16
0,39 to 45,39 on Mechanical 16